# Altium PCB DCDCv1.1.PcbDoc (part 1 of 5) (continued)
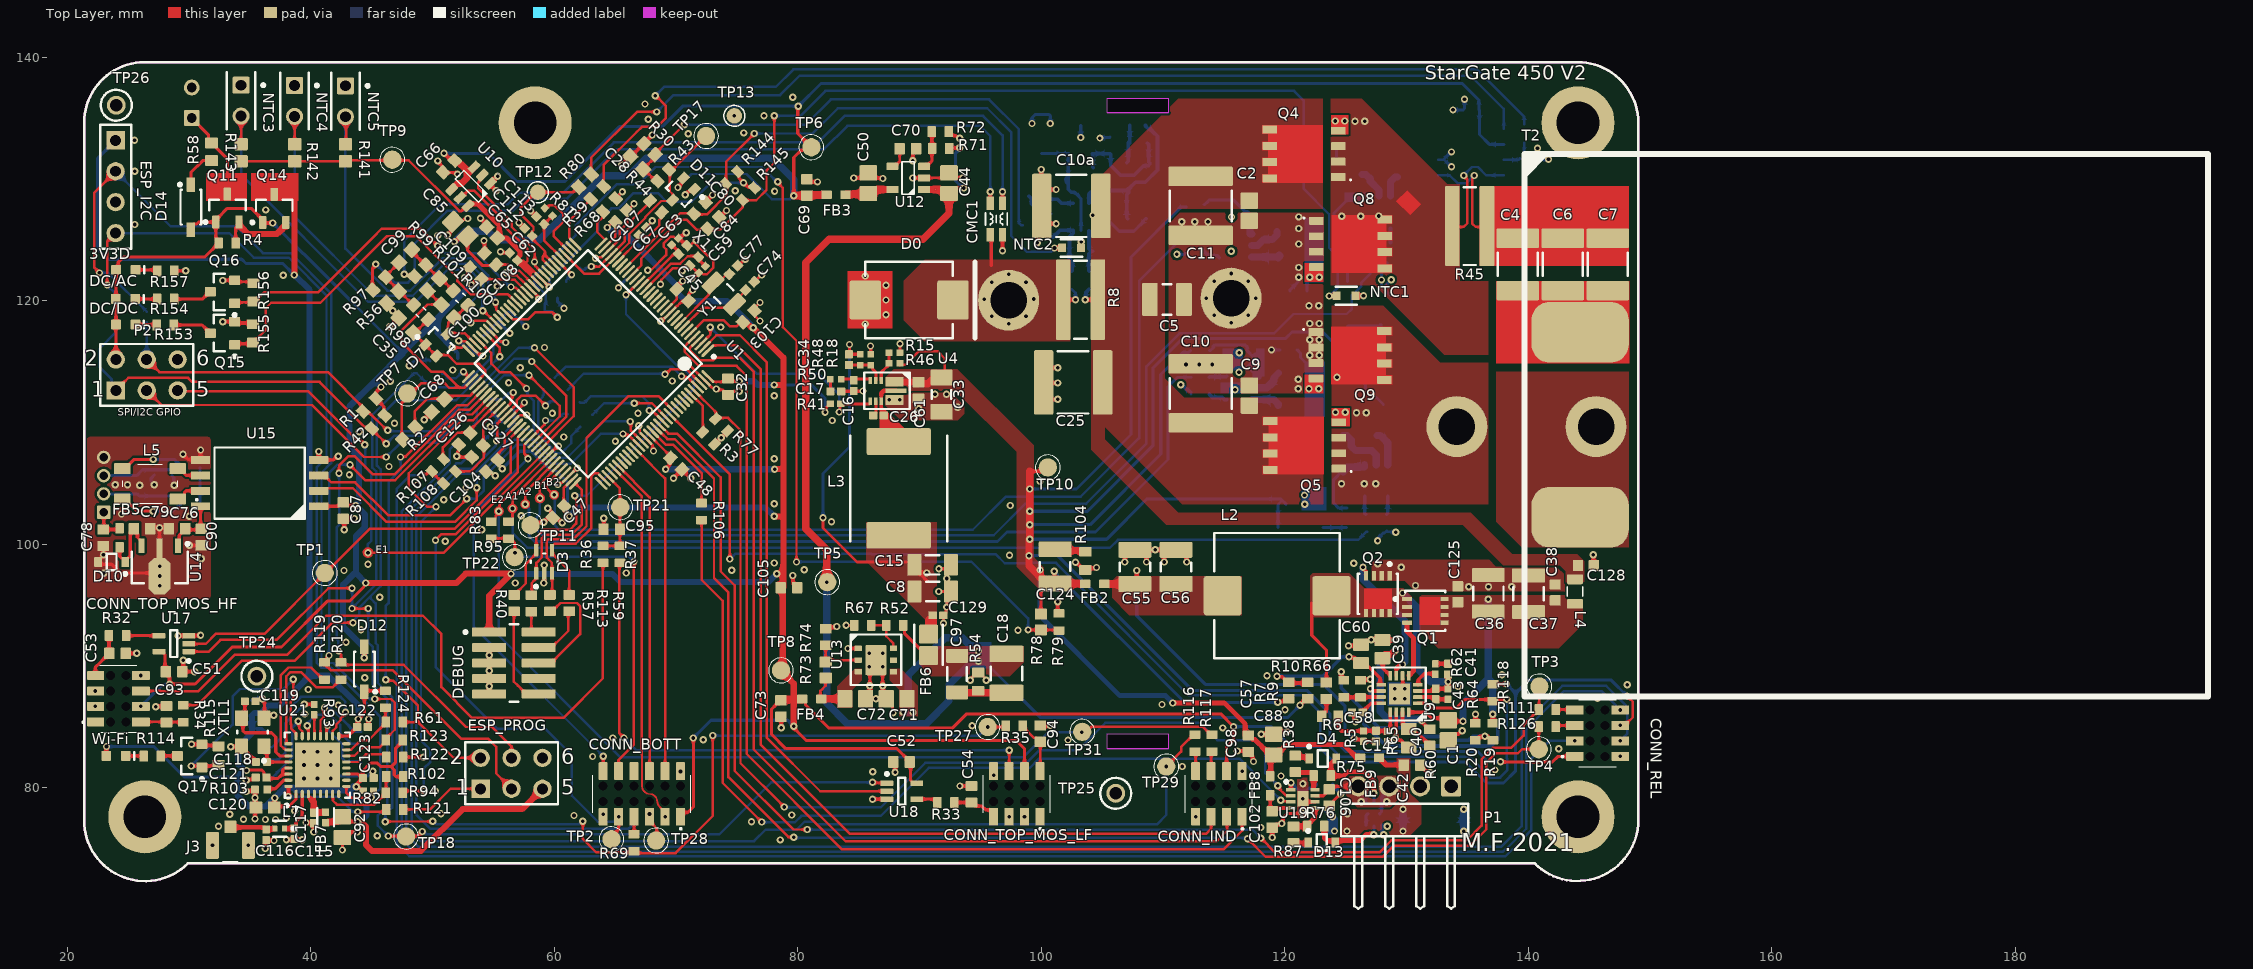
[diagram p0: Top Layer view]
## Components (designator, comment, footprint, x,y, rotation, side; value= is the part's Value field where it differs from the comment) (continued)
ESP_PROG "Header 3X2" HDR2X3 53.96,79.925 r0 top
FB1 "100R" SMD-0603 107.875,126.75 r180 bottom
FB2 "100R" SMD-0603 104.4,96.75 r180 top
FB3 "100R" SMD-0603 83.15,128.725 r180 top
FB4 "100R" SMD-0603 81.15,87.3 r180 top
FB5 "100R" SMD-0603 24.293,100.546 r270 top
FB6 "MMZ2012R601AT000" FP-MMZ2012-IPC_A 90.75,91.75 r270 top
FB7 "BLM15AG601SN1D" FP-BLM15-0_05-IPC_B 41.225,77.575 r90 top
FB8 "100R" SMD-0603 118.8,80.175 r270 top
FB9 "100R" SMD-0603 126.975,82.475 r180 top
FB16 "100R" SMD-0603 125.15,124 r270 bottom
FB17 "100R" SMD-0603 125.075,102.15 r270 bottom
FB18 "100R" SMD-0603 112.6,127.925 r180 bottom
FB19 "100R" SMD-0603 113.05,115.925 r180 bottom
J2 "B4B-ZR_LF__SN_" SHDR4W50P0X150_1X4_750X350X450P 22.993,102.646 r90 bottom
J3 "U.FL-R-SMT-1(10)" FP-U_FL-R-SMT-1_10-MFG 33.4,75.275 r0 top
L1 "1.8u" "IND LLC" 125.514,109.675 r180 bottom
L2 "100uH" VISH-IHLP4040DZER101M11_V 119.381,95.784 r180 top
L3 "22uH" INDPM8680X400N 88.3,104.6 r270 top
L4 "742792641" RESC2012X70N 143.85,96.125 r90 top
L5 "PE-1812ACC510STS" PE1812ACC510STS 26.793,104.971 r180 top
L7 "2.2nH" FP-LQG15HH_02-MFG 37.45,76.65 r180 top
NTC1 "NCU18XH103F60RB" FP-NCU18-0_15-MFG 125.05,120.425 r180 top
NTC2 "NCU18XH103F60RB" FP-NCU18-0_15-MFG 102.5,124.35 r180 top
NTC3 "5-146280-2" TECO-5-146280-2_V 34.275,136.45 r270 top
NTC4 "5-146280-2" TECO-5-146280-2_V 38.675,136.425 r270 top
NTC5 "5-146280-2" TECO-5-146280-2_V 42.85,136.4 r270 top
P1 "61300411021" 61300411021 129.86,77.355 r0 top
P2 "Header 3X2" HDR2X3 23.985,112.65 r0 top
PV+ "Plug" PV_PAD#1 97.35,120.15 r90 bottom
PV- "Plug" PV_PAD#2 115.6,120.225 r0 bottom
Q1 "IAUZ20N08S5L300" INF-PG-TSDSON-8-1_V 131.556,94.534 r180 top
Q2 "IAUZ20N08S5L300" INF-PG-TSDSON-8-1_V 127.656,95.934 r90 top
Q3 "DMT3020LFDB" NXP-SOT1118_L 127.325,77.8 r270 bottom
Q4 "BSC028N06NS" INF-PG-TDSON-8-1_V 121.575,132.075 r90 top
Q5 "BSC028N06NS" INF-PG-TDSON-8-1_V 121.625,108.125 r90 top
Q8 "BSC028N06NS" INF-PG-TDSON-8-1_V 125.425,124.675 r270 top
Q9 "BSC028N06NS" INF-PG-TDSON-8-1_V 125.4,115.525 r270 top
Q11 "SI2301CDS-T1-GE3" INF-PG-SOT23_N 33.15,127.625 r90 top
Q12 "ISS17EP06LMXTSA1" INF-PG-SOT23_N 99.625,126.2 r180 bottom
Q13 "ISS17EP06LMXTSA1" INF-PG-SOT23_N 103.25,133.25 r90 bottom
Q14 "SI2301CDS-T1-GE3" INF-PG-SOT23_N 37,127.6 r90 top
Q15 "2N7002-7-F" DIOD-SOT23-3_V 32.748,117.348 r180 top
Q16 "2N7002-7-F" DIOD-SOT23-3_V 32.748,120.748 r180 top
Q17 "2N7002-7-F" DIOD-SOT23-3_V 30.05,82.625 r180 top
R1 "6.2k" RESC1608X55X25ML10T15 44.825,111.45 r225 top
R2 "49.9R" RESC1608X55X30ML15T15 48.075,109.1 r45 top
R3 "10k" RESC1608X55X25NL10T15 72.675,108.725 r135 top
R4 "100k" RESC1608X55X25NL10T15 33.125,124.75 r0 top
R5 "39K" RESC1005X40X25NL05T10 126.475,84.25 r270 top
R6 "180K" RESC1608X55X30NL15T15 123.725,85.875 r180 top
R7 "100K" RESC1608X55X25NL10T15 124.856,88.134 r270 top
R8 "0.003R 1% 1225 2W" RESC3264X06N 103.233,120.1 r0 top
R9 "150K" RESC1608X55X25NL10T15 126.231,88.134 r270 top
R10 "5.1R" RESC1608X55X30NL15T15 120.325,88 r270 top
R11 "39K" RESC1608X55X30NL20T10 124.275,130.75 r90 bottom
R12 "39K" RESC1608X55X30NL20T10 125.925,113.725 r0 bottom
R13 "1.8R" RESC3216X70X40ML20T20 126.375,131.975 r90 bottom
R14 "33K" RESC1608X55X25ML10T15 126.791,101.772 r90 bottom
R15 "68K" RESC1005X40X25NL05T05 87.95,115.75 r180 top
R16 "39K" RESC1608X55X30NL20T10 121.15,120.825 r0 bottom
R17 "39K" RESC1608X55X30NL20T10 120.325,115.975 r0 bottom
R18 "30K" RESC1005X40X25NL05T05 86.009,115.169 r270 top
R19 "1M" RESC1608X55X25NL10T15 137.106,84.609 r90 top
R20 "51K" RESC1608X55X25NL10T15 135.656,84.609 r270 top
R21 "1.8R" RESC3216X70X40ML20T20 124.825,110.525 r90 bottom
R22 "33k" RESC1608X55X25ML10T15 128.45,123.85 r90 bottom
R23 "0.5R" RESC3216X70X40ML20T20 128.8,131.95 r90 bottom
R24 "33K" RESC1608X55X25ML10T15 128.291,101.772 r90 bottom
R25 "49.9R 0.1%" RESC1608X55X25ML10T15 102.5,121.7 r90 bottom
R26 "100R" RESC1608X55X30LL15T15 99.625,128.6 r180 bottom
R27 "18K" RESC1608X55X30NL20T20#1 107.925,134.425 r0 bottom
R28 "49.9R 0.1%" RESC1608X55X25ML10T15 103.95,121.7 r90 bottom
R29 "4.7K" RESC1608X55X30ML15T15 108,132.95 r180 bottom
R30 "3.48k 0.1%" RESC1608X55X30NL20T20#1 67.826,132.47 r315 top
R31 "15K" RESC1608X55X30NL15T15 105.65,132.775 r270 bottom
R32 "330R" RESC1608X55X25NL10T15 24.125,92.5 r180 top
R33 "330R" RESC1608X55X25NL10T15 92.175,78.8 r0 top
R34 "330R" RESC1608X55X25NL10T15 29.525,86.1 r270 top
R35 "330R" RESC1608X55X25NL10T15 97.8,85.1 r0 top
R36 "330R" RESC1608X55X25NL10T15 64,99.175 r270 top
R37 "330R" RESC1608X55X25NL10T15 65.4,99.175 r270 top
R38 "5.1R" RESC1608X55X30NL15T15 120.875,81.975 r90 top
R39 "0R" RESC1608X55X25ML10T15 63.525,128.875 r45 top
R40 "49.9R" RESC1608X55X30NL15T15 56.7,95.175 r90 top
R41 "100K" RESC1005X40X25NL05T10 83.109,111.544 r180 top
R42 "6.2k" RESC1608X55X25ML10T15 45.55,110.05 r225 top
R43 "1K" RESC1608X55X30NL15T15 68.958,130.313 r225 top
R44 "49.9R" RESC1608X55X30NL15T15 68.35,127.75 r315 top
R45 "0.003R 1% 1225 2W" RESC3264X06N 135.2,126.15 r0 top
R46 "470k" RESC1005X40X25NL05T05 87.95,114.875 r0 top
R47 "0.5R" RESC3216X70X40ML20T20 127.241,110.522 r90 bottom
R48 "158K" RESC1005X40X25NL05T05 85.134,115.169 r90 top
R49 "33k" RESC1608X55X25ML10T15 127.05,123.85 r90 bottom
R50 "47K" RESC1005X40X25NL05T05 83.134,113.569 r0 top
R51 "33k" RESC1608X55X25ML10T15 112.575,125.5 r0 bottom
R52 "100K" RESC1608X55X25NL10T15 87.975,93.35 r0 top
R53 "1.8R" RESC3216X70X40ML20T20 120.95,125.7 r0 bottom
R54 "0.1R" RESC1608X55X25ML10T15 94.825,88.725 r270 top
R55 "33K" RESC1608X55X25ML10T15 113.07,113.719 r0 bottom
R56 "4.99K 0.1%" RESC1608X55X30ML20T20 46.725,120.3 r45 top
R57 "49.9R" RESC1608X55X30NL15T15 58.125,95.15 r90 top
R58 "49.9R" RESC1608X55X30ML15T15 31.85,132.25 r270 top
R59 "49.9R" RESC1608X55X30NL15T15 61.225,95.175 r90 top
R60 "5.1R" RESC1608X55X30NL15T15 131.925,84.15 r90 top
R61 "330R" RESC1608X55X25NL10T15 46.875,85.4 r0 top
R62 "3R3" RESC1005X40X25NL05T10 132.381,89.759 r270 top
R63 "0R" RESC1608X55X25ML10T15 139.675,133.75 r270 bottom
R64 "510R" RESC1005X40X25NL05T10 133.425,87.7 r270 top
R65 "2K" RESC1005X40X25NL05T10 128.425,84.225 r90 top
R66 "5.1R" RESC1608X55X30NL15T15 121.884,87.994 r270 top
R67 "36K" RESC1608X55X25NL10T15 85.35,93.35 r0 top
R68 "0R" RESC1608X55X25ML10T15 64.525,127.875 r225 top
R69 "330R" RESC1608X55X25NL10T15 66.55,75.5 r270 top
R70 "330R" RESC1608X55X25NL10T15 67.125,77.05 r180 bottom
R71 "100K" RESC1608X55X25NL10T15 91.75,132.525 r0 top
R72 "27K" RESC1608X55X25NL10T15 91.725,133.9 r180 top
R73 "18K" RESC1608X55X30NL20T20#1 82.3,89.675 r270 top
R74 "1K" RESC1608X55X30NL15T15 82.3,92.4 r270 top
R75 "10R" RESC1608X55X25NL10T15 123.1,81 r0 top
R76 "10R" RESC1608X55X25NL10T15 122.55,76.85 r0 top
R77 "10K" RESC1608X55X25NL10T15 73.75,109.825 r135 top
R78 "43K" RESC1608X55X30NL20T20#1 99.975,93.625 r90 top
R79 "10K" RESC1608X55X25NL10T15 101.45,93.625 r270 top
R80 "49.9R" RESC1608X55X30ML15T15 62.523,129.871 r225 top
R81 "49.9R" RESC1005X40X25NL05T05 59.535,127.308 r315 top
R82 "10K" RESC1005X40X25NL05T10 44.725,79.775 r180 top
R83 "330R" RESC1608X55X25NL10T15 54.825,101.175 r270 top
R84 "59R" RESC1608X55X30ML15T15 30.168,106.321 r180 bottom
R85 "1.8R" RESC3216X70X40ML20T20 121.075,114.075 r0 bottom
R86 "59R" RESC1608X55X30ML15T15 30.168,103.496 r0 bottom
R87 "5.1R" RESC1608X55X30NL15T15 120.725,76.15 r90 top
R88 "1K" RESC1005X40X25NL05T10 26.525,118.675 r90 bottom
R89 "0.5R" RESC3216X70X40ML20T20 120.95,123.425 r0 bottom
R90 "33k" RESC1608X55X25ML10T15 112.6,123.95 r0 bottom
R91 "0.5R" RESC3216X70X40ML20T20 121.05,111.425 r0 bottom
R92 "33K" RESC1608X55X25ML10T15 113.07,112.369 r0 bottom
R93 "220R" RESC1005X40X25NL05T10 40.275,86.425 r270 top
R94 "330R" RESC1608X55X25NL10T15 46.875,79.6 r0 top
R95 "330R" RESC1608X55X25NL10T15 56.25,101.175 r270 top
R96 "3.3R" RESC1608X55X30NL15T15 123.275,80.3 r180 bottom
R97 "110K/0.1%" RESC1608X55X30NL20T20#2 45.625,121.425 r225 top
R98 "499R 0.1%" RESC1608X55N 49.05,119.075 r315 top
R99 "110K/0.1%" RESC1608X55X30NL20T20#1 49,122.475 r225 top
R100 "499R 0.1%" RESC1608X55N 52.305,120.237 r315 top
R101 "4.99K 0.1%" RESC1608X55X30ML20T20 50.078,121.333 r45 top
R102 "100k" RESC1608X55X25NL10T15 46.9,80.925 r180 top
R103 "12K" RESC1005X40X25ML05T05 35.925,79.85 r0 top
R104 "0.1R" RESC1608X55X25ML10T15 103.625,98.65 r90 top
R105 "1K" RESC1005X40X25NL05T10 23.975,118.65 r90 bottom
R106 "330R" RESC1608X55X25NL10T15 72.1,102.7 r90 top
R107 "330R" RESC1608X55X25NL10T15 50.425,106.5 r45 top
R108 "330R" RESC1608X55X25NL10T15 51.4,105.5 r45 top
R110 "330R" RESC1608X55X25NL10T15 52.7,109.1 r225 bottom
R111 "330R" RESC1608X55X25NL10T15 141.575,86.425 r180 top
R112 "330R" RESC1608X55X25NL10T15 53.75,108.05 r225 bottom
R113 "49.9R" RESC1608X55X30NL15T15 59.65,95.175 r90 top
R114 "330R" RESC1608X55X25NL10T15 26.975,82.6 r0 top
R115 "100k" RESC1608X55X25ML10T15 32.425,82.65 r270 top
R116 "330R" RESC1608X55X25NL10T15 112.625,83.675 r90 top
R117 "330R" RESC1608X55X25NL10T15 114.025,83.675 r90 top
R118 "100K" RESC1608X55X25NL10T15 137.1,87.825 r90 top
R119 "330R" RESC1608X55X25NL10T15 41.125,89.6 r90 top
R120 "330R" RESC1608X55X25NL10T15 42.5,89.6 r90 top
R121 "330R" RESC1608X55X25NL10T15 46.9,78.225 r0 top
R122 "100K" RESC1608X55X25NL10T15 46.9,82.525 r180 top
R123 "100K" RESC1608X55X25NL10T15 46.85,83.925 r0 top
R124 "10K" RESC1608X55X25NL10T15 46.125,87.275 r90 top
R125 "330R" RESC1608X55X25NL10T15 50.3,113.525 r45 bottom
R126 "330R" RESC1608X55X25NL10T15 141.575,85.025 r0 top
R127 "330R" RESC1608X55X25NL10T15 61.6,111.175 r45 bottom
R128 "330R" RESC1608X55X25NL10T15 62.625,110.15 r45 bottom
R129 "330R" RESC1608X55X25NL10T15 60.6,112.2 r45 bottom
R130 "330R" RESC1608X55X25NL10T15 59.55,113.2 r45 bottom
R132 "100K" RESC1608X55X25NL10T15 49.3,114.575 r225 bottom
R141 "10k 0.1%" RESC1608X55X30ML20T20 42.85,132.17 r270 top
R142 "10k 0.1%" RESC1608X55X30ML20T20 38.675,132.17 r270 top
R143 "10k 0.1%" RESC1608X55X30ML20T20 34.275,132.175 r270 top
R144 "100K" RESC1608X55X25NL10T15 74.575,130.125 r45 top
R145 "100K" RESC1608X55X25NL10T15 75.95,128.8 r45 top
R153 "330R" RESC1608X55X25NL10T15 28.048,118.023 r0 top
R154 "330R" RESC1608X55X25NL10T15 28.073,120.148 r0 top
R155 "100k" RESC1608X55X25ML10T15 35.25,117.325 r270 top
R156 "100k" RESC1608X55X25ML10T15 35.3,120.7 r270 top
R157 "330R" RESC1608X55X25NL10T15 28.075,122.475 r0 top
T2 "LLC 400W" ETD39-K-V-16P-HORIZONTAL-PRI 139.711,87.5 r0 top locked
TP1 "Test Point" TP1.5mm 41.15,97.65 r0 top
TP2 "Test Point" TP1.5mm 64.7,75.775 r0 top
TP3 "Test Point" TP1.5mm 140.925,88.325 r0 top
TP4 "Test Point" TP1.5mm 140.875,83.175 r0 top
TP5 "Test Point" TP1.5mm 82.425,96.9 r0 top
TP6 "Test Point" TP1.5mm 81.125,132.625 r0 top
TP7 "Test Point" TP1.5mm 47.925,112.4 r0 top
TP8 "Test Point" TP1.5mm 78.625,89.65 r0 top
TP9 "Test Point" TP1.5mm 46.7,131.6 r0 top
TP10 "Test Point" TP1.5mm 100.55,106.325 r0 top
TP11 "Test Point" TP1.5mm 58.05,101.575 r0 top
TP12 "TESTPOINT" TP-R60 58.65,128.925 r0 top
TP13 "TESTPOINT" TP-R60 74.8,135.2 r0 top
TP17 "Test Point" TP1.5mm 72.475,133.55 r0 top
TP18 "Test Point" TP1.5mm 47.825,76 r0 top
TP21 "Test Point" TP1.5mm 65.425,103.05 r0 top
TP22 "Test Point" TP1.5mm 56.75,98.95 r0 top
TP24 "5001" KSTN-5001 35.575,89.175 r90 top
TP25 "5001" KSTN-5001 106.125,79.55 r0 top
TP26 "5001" KSTN-5001 24.025,136.075 r90 top
TP27 "Test Point" TP1.5mm 95.6,85 r0 top
TP28 "Test Point" TP1.5mm 68.375,75.675 r0 top
TP29 "Test Point" TP1.5mm 110.275,81.75 r0 top
TP31 "Test Point" TP1.5mm 103.375,84.6 r0 top
U1 "STM32G474QBT6" LQFP-128 62.788,114.845 r225 top value=Value
U2 "1EDN8550B" SOT23-6 127.75,127.325 r90 bottom
U3 "1EDN8550B" SOT23-6 127.516,105.247 r90 bottom
U4 "AP63357QZV-7" AP63357QZV7 87.209,112.619 r270 top
U5 "TSZ121ICT" DCK0005A_N 103.275,126.9 r90 bottom
U6 "TS431BILT" SOT23-5 107.975,130.05 r90 bottom
U7 "1EDN8550B" SOT23-6 116.008,124.55 r0 bottom
U8 "1EDN8550B" SOT23-6 116.538,112.851 r0 bottom
U9 "MIC2128YML-TR" QFN50P300X300X90-17N 129.431,87.709 r180 top
U10 "ADR3425ARJZ-R2" SOT23-6 53.172,129.411 r225 top
U11 "INA240A1DR" SOIC127P600X175-8AN 135.3,132.225 r0 bottom
U12 "TC1185-3.3VCT713 / LD3985 / TPS7A20" SOT23-5 89.075,130.1 r180 top
U13 "LDL212" LDL212PUR 86.425,90.5 r0 top
U14 "AP7370" SOT-89_L 27.58,98.196 r270 top
U15 "ADM3050EBRIZ" SOIC127P1031X265-8N 35.793,105.034 r180 top
U16 "W25Q32FVSSIG" FP-SS-MFG 40.2,82.875 r180 bottom
U17 "74AHC1G08SE-7" DCK0005A_M 28.75,91.85 r180 top
U18 "74AHC1G08SE-7" DCK0005A_M 88.55,79.725 r0 top
U19 "NCP5901BMNTBG" SON50P200X200X100-9N 121.5,79.1 r0 top
U21 "ESP8266EX" ESFS-QFN-32_L 40.55,81.875 r90 top
Wi-Fi "150060GS75000" 0603_A 24,82.625 r180 top
X1 "NX2016SA-24M-EXS00A-CS08891" ABRA-ABM11_V 71.03,123.725 r225 top
XTL1 "26MHz" AVX-CX3225GB-4_V 35.225,84.575 r90 top
Y1 "Q13FC1350000400" ABRA-ABS07_A_V 73.925,120.6 r135 top

## Footprints (in the part's own frame and the unit in brackets; to place one, negate y for a bottom-side part, rotate by r counter-clockwise, add the part's x,y. Pads: shape width x height; smd on the part's side, far side on the other; paste and mask are expansions set on the pad)
0603_A [mm] "Chip LED, 2-Leads, Body 1.6x0.8mm, IPC Medium Density"
  rrect15% 0.8x0.8 smd: 1(-0.8,0) 2(0.8,0)
  silkscreen extent -1.5,-0.3 -1.5,0.3, body extent -0.8,-0.4 0.8,0.4, height 0.7
61300411021 [mm]
  rrect15% 1.65x1.65 hole 1.1: 1(3.81,2.77)
  round 1.65 hole 1.1: 2(1.27,2.77) 3(-1.27,2.77) 4(-3.81,2.77)
  silkscreen extent -5.23,-7.27 5.23,1.35, body extent -5.08,-7.27 5.08,3.09, height 2.58
ABRA-ABM11_V [mm] "SMD, 4-Leads, Body 2x1.6mm, Pitch 1.3mm"
  rrect15% 0.65x0.75 smd: 1(-0.5,0.65) 2(-0.5,-0.65) 3(0.5,-0.65) 4(0.5,0.65)
  silkscreen extent -1.31,0.59 -1.19,0.71, body extent -0.8,-1 0.8,1, height 0.59
ABRA-ABS07_A_V [mm] "SMD, 2-Leads, Body 3.2x1.5mm"
  rrect15% 1x1.8 smd: 1(-1.25,0) 2(1.25,0)
  silkscreen extent -0.35,-0.75 0.35,0.75, body extent -1.6,-0.75 1.6,0.75, height 0.9
AP63357QZV7 [mm]
  rrect15% 0.8x1.5 smd: 1(-0.75,0.75) 8(0.75,0.75)
  rrect15% 0.6x0.29 smd: 2(-0.85,-0.344) 3(-0.85,-0.794) 4(-0.85,-1.244) 5(0.85,-1.244) 6(0.85,-0.794) 7(0.85,-0.344)
  rrect15% 0.39x1.73 smd: 9(0,0.864)
  silkscreen extent -1.5,-1.75 1.5,2, body extent -1,-1.5 1,1.5, height 0.95
AVX-CX3225GB-4_V [mm] "SMD, 4-Leads, Body 3.2x2.5mm, Height 0.9mm"
  rrect15% 1.3x1.05 smd: 1(-1.15,-0.925) 2(1.15,-0.925) 3(1.15,0.925) 4(-1.15,0.925)
  silkscreen extent -2.47,-1.25 0.1,1.25, body extent -1.6,-1.25 1.6,1.25, height 0.9
CAPC1005X55X25ML05T10 [mm] "Chip Capacitor, 2-Leads, Body 1.00x0.50mm, IPC Low Density"
  rrect15% 0.76x0.72 smd: 1(-0.49,0) 2(0.49,0)
  body extent -0.53,-0.28 0.53,0.27, height 0.55
CAPC1005X55X25NL05T10 [mm] "Chip Capacitor, 2-Leads, Body 1.00x0.50mm, IPC Medium Density"
  rrect15% 0.66x0.62 smd: 1(-0.44,0) 2(0.44,0)
  body extent -0.53,-0.28 0.53,0.27, height 0.55
CAPC1005X56X25LL10T15 [mm] "Chip Capacitor, 2-Leads, Body 1.00x0.50mm, IPC High Density"
  rrect15% 0.58x0.54 smd: 1(-0.39,0) 2(0.39,0)
  body extent -0.55,-0.3 0.55,0.3, height 0.56
CAPC1005X56X25NL10T15 [mm] "Chip Capacitor, 2-Leads, Body 1.00x0.50mm, IPC Medium Density"
  rrect15% 0.68x0.64 smd: 1(-0.44,0) 2(0.44,0)
  body extent -0.55,-0.3 0.55,0.3, height 0.56
CAPC1206(3216)190_N [mm]
  rrect15% 1.15x1.8 smd: 1(-1.5,0) 2(1.5,0)
  silkscreen extent -0.55,-0.8 0.55,0.8, body extent -1.7,-0.9 1.7,0.9, height 1.9
CAPC1210(3225)280_M [mm] "Chip Capacitor, Body 3.2x2.5mm, Height 2.8mm, IPC Low Density"
  rrect15% 1.35x2.8 smd: 1(-1.6,0) 2(1.6,0)
  silkscreen extent -0.55,-1.3 0.55,1.3, body extent -1.7,-1.4 1.7,1.4, height 2.8
CAPC1210(3225)280_N [mm] "Chip Capacitor, Body 3.2x2.5mm, Height 2.8mm, IPC Medium Density"
  rrect15% 1.15x2.7 smd: 1(-1.5,0) 2(1.5,0)
  silkscreen extent -0.55,-1.25 0.55,1.25, body extent -1.7,-1.4 1.7,1.4, height 2.8
CAPC1608X86X35NL15T15 [mm]
  rrect15% 1.05x1 smd: 1(-0.75,0) 2(0.75,0)
  body extent -0.88,-0.48 0.88,0.48, height 0.86
CAPC1608X90X20NL10 [mm] "Chip Capacitor, 2-Leads, Body 1.70x0.90mm, IPC Medium Density"
  rrect15% 0.55x0.95 smd: 1(-0.8,0) 2(0.8,0)
  silkscreen extent -0.15,-0.38 0.15,0.38, body extent -0.85,-0.45 0.85,0.45, height 0.9
CAPC1608X90X35LL15T15 [mm] "Chip Capacitor, 2-Leads, Body 1.60x0.81mm, IPC High Density"
  rrect15% 0.85x0.9 smd: 1(-0.65,0) 2(0.65,0)
  body extent -0.88,-0.48 0.87,0.48, height 0.9
CAPC1608X90X35ML10T15 [mm] "Chip Capacitor, 2-Leads, Body 1.60x0.80mm, IPC Low Density"
  rrect15% 0.95x1.05 smd: 1(-0.725,0) 2(0.725,0)
  body extent -0.85,-0.45 0.85,0.45, height 0.9
CAPC1608X90X35NL10T15 [mm]
  rrect15% 0.85x0.95 smd: 1(-0.675,0) 2(0.675,0)
  body extent -0.85,-0.45 0.85,0.45, height 0.9
CAPC1608X90X35NL15T15#1 [mm]
  rrect15% 1.05x1 smd: 1(-0.75,0) 2(0.75,0)
  body extent -0.88,-0.48 0.88,0.48, height 0.9
CAPC1608X90X35NL15T15#2 [mm] "Chip Capacitor, 2-Leads, Body 1.60x0.81mm, IPC Medium Density"
  rrect15% 1.05x1 smd: 1(-0.85,0) 2(0.85,0)
  body extent -0.88,-0.48 0.88,0.48, height 0.9
CAPC1608X90X40NL10T20 [mm]
  rrect15% 0.95x0.95 smd: 1(-0.625,0) 2(0.625,0)
  body extent -0.85,-0.45 0.85,0.45, height 0.9
CAPC1812(4532)190_M [mm] "Chip Capacitor, Body 4.5x3.2mm, Height 1.9mm, IPC Low Density"
  rrect15% 1.6x3.5 smd: 1(-2.15,0) 2(2.15,0)
  silkscreen extent -0.95,-1.65 0.95,1.65, body extent -2.4,-1.7 2.4,1.7, height 1.9
CAPC2013X94X50NL20T25 [mm]
  rrect15% 1.35x1.45 smd: 1(-0.825,0) 2(0.825,0)
  body extent -1.1,-0.73 1.11,0.73, height 0.94
CAPC2013X135X45LL10T25 [mm]
  rrect15% 1x1.3 smd: 1(-0.75,0) 2(0.75,0)
  body extent -1.05,-0.67 1.05,0.68, height 1.35
CAPC2013X135X45ML10T25 [mm] "Chip Capacitor, 2-Leads, Body 2.10x1.35mm, IPC Low Density"
  rrect15% 1.4x1.5 smd: 1(-0.95,0) 2(0.95,0)
  body extent -1.05,-0.68 1.05,0.68, height 1.35
CAPC2013X140X45NL15T25 [mm]
  rrect15% 1.25x1.45 smd: 1(-0.85,0) 2(0.85,0)
  body extent -1.08,-0.7 1.07,0.7, height 1.4
CAPC3216X180X50ML20T25 [mm] "Chip Capacitor, 2-Leads, Body 3.40x1.80mm, IPC Low Density"
  rrect15% 1.5x1.9 smd: 1(-1.5,0) 2(1.5,0)
  silkscreen extent -0.35,-0.85 0.35,0.85, body extent -1.7,-0.9 1.7,0.9, height 1.8
CAPC3216X180X50NL20T25 [mm] "Chip Capacitor, 2-Leads, Body 3.40x1.80mm, IPC Medium Density"
  rrect15% 1.3x1.8 smd: 1(-1.4,0) 2(1.4,0)
  silkscreen extent -0.35,-0.8 0.35,0.8, body extent -1.7,-0.9 1.7,0.9, height 1.8
CAPC3225X250X20LL40 [mm] "Chip Capacitor, 2-Leads, Body 3.60x2.80mm, IPC High Density"
  rrect15% 0.75x2.7 smd: 1(-1.575,0) 2(1.575,0)
  silkscreen extent -0.8,-1.25 0.8,1.25, body extent -1.8,-1.4 1.8,1.4, height 2.5
CAPC3225X279X50NL20T25 [mm]
  rrect15% 1.3x2.7 smd: 1(-1.4,0) 2(1.4,0)
  silkscreen extent -0.35,-1.25 0.35,1.25, body extent -1.7,-1.35 1.7,1.35, height 2.79
CAPC5750X279X64LL40T39 [mm] "Chip Capacitor, 2-Leads, Body 6.1x5.4mm, IPC High Density"
  rrect15% 1.6x5.3 smd: 1(-2.425,0) 2(2.425,0)
  silkscreen extent -1.25,-2.55 1.25,2.55, body extent -3.05,-2.7 3.05,2.7, height 2.79
CAPPR55-250-1120X630X1220 [mm] "THD, 2-Leads, Dia 6.3mm, Body Length 11.2mm"
  rrect15% 1.3x1.3 hole 0.8: 1(-1.25,0)
  round 1.3 hole 0.8: 2(1.25,0)
  silkscreen extent -3.15,-3.15 3.15,3.15, body extent -3.15,-3.15 3.15,3.15, height 12.21
CHOKE_CM_1206SMD [mm] "Common-mode choke, Body 3.4x1.8x2.2mm"
  round 0.5 on Mech15: 0(0,0)
  rrect1% 1.1x0.6 smd: 1(-1.3,0.5) 2(1.3,0.5) 3(1.3,-0.5) 4(-1.3,-0.5)
  Top Layer pour cut-out: -0.9,0.91 0.9,0.91 0.9,-0.9 -0.9,-0.9
  silkscreen extent -0.5,-0.9 0.5,0.9, body extent -1.71,-0.91 1.71,0.91, height 2.2
CLP-104-02-XXX-D-BE#1 [mm]
  rrect15% 0.74x1.47 smd: 1(1.905,-1.87) 2(1.905,1.87) 3(0.635,-1.87) 4(0.635,1.87) 5(-0.635,-1.87) 6(-0.635,1.87) 7(-1.905,-1.87) 8(-1.905,1.87)
  round 0.37 hole 0.74 unplated: 9(1.905,-0.635) 10(1.905,0.635) 11(0.635,-0.635) 12(0.635,0.635) 13(-0.635,-0.635) 14(-0.635,0.635) 15(-1.905,-0.635) 16(-1.905,0.635)
  silkscreen extent -2.76,-2.92 2.76,1.53, body extent -2.76,-2.17 2.76,2.15, height 2.13
CLP-104-02-XXX-D-BE#2 [mm]
  rrect15% 0.74x1.4 smd: 1(1.905,-1.845) 3(0.635,-1.845) 5(-0.635,-1.845) 7(-1.905,-1.845)
  rrect15% 0.74x1.47 smd: 2(1.905,1.87) 4(0.635,1.87) 6(-0.635,1.87) 8(-1.905,1.87)
  round 0.37 hole 0.74 unplated: 9(1.905,-0.635) 10(1.905,0.635) 11(0.635,-0.635) 12(0.635,0.635) 13(-0.635,-0.635) 14(-0.635,0.635) 15(-1.905,-0.635) 16(-1.905,0.635)
  silkscreen extent -2.76,-2.92 2.76,1.53, body extent -2.76,-2.17 2.76,2.15, height 2.13
CLP-106-02-XXX-D-BE [mm]
  rrect15% 0.74x1.47 smd: 1(3.175,-1.87) 2(3.175,1.87) 3(1.905,-1.87) 4(1.905,1.87) 5(0.635,-1.87) 6(0.635,1.87) 7(-0.635,-1.87) 8(-0.635,1.87) 9(-1.905,-1.87) 10(-1.905,1.87) 11(-3.175,-1.87) 12(-3.175,1.87)
  round 0.37 hole 0.74 unplated: 13(3.175,-0.635) 14(3.175,0.635) 15(1.905,-0.635) 16(1.905,0.635) 17(0.635,-0.635) 18(0.635,0.635) 19(-0.635,-0.635) 20(-0.635,0.635) 21(-1.905,-0.635) 22(-1.905,0.635) 23(-3.175,-0.635) 24(-3.175,0.635)
  silkscreen extent -4.03,-2.92 4.03,1.53, body extent -4.05,-2.21 4,2.11, height 2.13
DCK0005A_M [mm] "SOT23, 5-Leads, Body 2.15x1.4mm, Pitch 0.65mm, IPC Low Density"
  rrect22% 1.05x0.45 smd: 1(-1.225,0.65) 2(-1.225,0) 3(-1.225,-0.65) 4(1.225,-0.65) 5(1.225,0.65)
  silkscreen extent -1.35,-1.1 0.3,1.55, body extent -1.14,-1 1.14,1, height 0.94
DCK0005A_N [mm] "SOT23, 5-Leads, Body 2.15x1.4mm, Pitch 0.65mm, IPC Medium Density"
  rrect25% 0.85x0.4 smd: 1(-1.125,0.65) 2(-1.125,0) 3(-1.125,-0.65) 4(1.125,-0.65) 5(1.125,0.65)
  silkscreen extent -1.25,-1.1 0.3,1.52, body extent -1.14,-1 1.14,1, height 0.94
DIOD-SOD-123-2_V [mm] "SOD-123, 2-Leads, Body 2.85x1.7mm (max), Pitch 3.7mm"
  rrect15% 1.2x0.7 smd: 1(-1.85,0) 2(1.85,0)
  silkscreen extent -1.43,-0.85 1.97,1.03, body extent -1.42,-0.85 1.42,0.85, height 1.45
DIOD-SOT23-3_V [mm] "SOT23, 3-Leads, Body 3x1.4mm, Pitch 0.95mm"
  rrect15% 0.9x0.8 smd: 1(-1,0.95) 2(-1,-0.95) 3(1,0)
  silkscreen extent -1.13,-1.5 0.7,2.02, body extent -1.25,-1.5 1.25,1.5, height 1.1
ESFS-QFN-32_L [mm] "QFN, 32-Leads, Body 5.05x5.05mm, Pitch 0.50mm, Thermal Pad 3.70x3.70mm, IPC High Density"
  oval 0.69x0.25 smd: 1(-2.375,1.75) 2(-2.375,1.25) 3(-2.375,0.75) 4(-2.375,0.25) 5(-2.375,-0.25) 6(-2.375,-0.75) 7(-2.375,-1.25) 8(-2.375,-1.75) 17(2.375,-1.75) 18(2.375,-1.25) 19(2.375,-0.75) 20(2.375,-0.25) 21(2.375,0.25) 22(2.375,0.75) 23(2.375,1.25) 24(2.375,1.75)
  oval 0.25x0.69 smd: 9(-1.75,-2.375) 10(-1.25,-2.375) 11(-0.75,-2.375) 12(-0.25,-2.375) 13(0.25,-2.375) 14(0.75,-2.375) 15(1.25,-2.375) 16(1.75,-2.375) 25(1.75,2.375) 26(1.25,2.375) 27(0.75,2.375) 28(0.25,2.375) 29(-0.25,2.375) 30(-0.75,2.375) 31(-1.25,2.375) 32(-1.75,2.375)
  rect 3.7x3.7 smd: 33(0,0)
  silkscreen extent -3.45,-2.67 2.68,2.68, body extent -2.52,-2.52 2.53,2.53, height 0.9
ETD39-K-V-16P-HORIZONTAL-PRI [mm]
  rrect60% 8x2.5 smd far side: 1(4.564,40.132) 2(4.564,35.052) 4(4.564,24.892) 5(4.564,19.812) 7(4.564,9.652) 8(4.564,4.572)
  rrect60% 8x5 smd: 3(4.564,29.925) 6(4.564,14.732)
  silkscreen extent 0,0 56.13,44.58, body extent 3.22,0.13 55.42,44.63, height 0.5
FAIR-DO-214AB-2_V [mm] "Molded Diode, 2-Leads, Body 7.15x6.25mm"
  rrect15% 2.6x3.2 smd: 1(-3.6,0) 2(3.6,0)
  silkscreen extent -3.6,-3.15 5.4,3.15, body extent -3.79,-3.13 3.79,3.13, height 2.65
FAIR-SOD-523F-2_V [mm] "SMD, 2-Leads, Body 1.2x0.8mm, Height 0.7mm"
  rrect15% 0.8x0.5 smd: 1(-1,0) 2(1,0)
  silkscreen extent -0.2,-0.38 0.24,0.38, body extent -0.6,-0.4 0.6,0.4, height 0.71
FP-BLM15-0_05-IPC_B [mm]
  rrect15% 0.615x0.572 smd paste+0 mask+0: 1(-0.429,0) 2(0.429,0)
  silkscreen extent -0.74,-0.69 0.74,0.69, body extent -0.89,-0.44 0.89,0.44, height 0.25
FP-LQG15HH_02-MFG [mm]
  rrect15% 0.4x0.5 smd paste+0 mask+0: 1(-0.4,0) 2(0.4,0)
  silkscreen extent -1.28,-0.64 0.53,0.65, body extent -0.5,-0.25 0.5,0.25, height 0.55
FP-MMZ2012-IPC_A [mm]
  rrect15% 1.554x1.556 smd paste+0 mask+0: 1(-0.876,0) 2(0.876,0)
  silkscreen extent -1.65,-1.18 1.65,1.18, body extent -2.15,-1.28 2.15,1.28, height 0.25
FP-NCU18-0_15-MFG [mm]
  rrect15% 0.65x0.7 smd paste+0 mask+0: 1(-0.775,0) 2(0.775,0)
  silkscreen extent -0.87,-0.72 0.87,0.72, body extent -0.8,-0.4 0.8,0.4, height 0.95
FP-SOT23-MFG [mm]
  rrect15% 0.9x0.8 smd paste+0 mask+0: 1(-1,0.95) 2(-1,-0.95) 3(1,0)
  silkscreen extent -0.18,-1.5 0.7,1.5, body extent -1.2,-1.45 1.2,1.45, height 1.1
FP-SOT323-5L-MFG [mm]
  rrect15% 1x0.35 smd paste+0 mask+0: 1(-0.95,0.65) 2(-0.95,0) 3(-0.95,-0.65) 4(0.95,-0.65) 5(0.95,0.65)
  silkscreen extent -2.17,-1.1 0.67,1.1, body extent -1.55,-1.2 1.55,1.2, height 0.25
FP-SS-MFG [mm]
  rrect15% 1.9x0.8 smd paste-1000 mask+0: 1(-3.95,1.905) 2(-3.95,0.635) 3(-3.95,-0.635) 4(-3.95,-1.905) 5(3.95,-1.905) 6(3.95,-0.635) 7(3.95,0.635) 8(3.95,1.905)
  silkscreen extent -5.71,-2.69 2.69,2.69, body extent -3.96,-2.64 3.96,2.64, height 2.16
FP-U_FL-R-SMT-1_10-MFG [mm]
  rrect15% 1x1.05 smd paste-1000 mask+0: 1(0,1.525)
  rrect15% 1.05x2.2 smd paste-1000 mask+0: 2(-1.475,0) 3(1.475,0)
  silkscreen extent -0.58,-1.38 0.58,-1.38, body extent -1.5,-1.55 1.5,1.55, height 1.45
HDR1X4 [mm] "Connector; Header; 4 Position"
  rect 1.5x1.5 hole 0.9: 1(0,0)
  round 1.5 hole 0.9: 2(2.54,0) 3(5.08,0) 4(7.62,0)
  silkscreen extent -1.27,-1.27 8.89,1.27
HDR2X3 [mm] "Connector; Header; 3x2 Position"
  rect 1.5x1.5 hole 0.9: 1(0,0)
  round 1.5 hole 0.9: 2(0,2.54) 3(2.54,0) 4(2.54,2.54) 5(5.08,0) 6(5.08,2.54)
  silkscreen extent -1.27,-1.27 6.35,3.81
"IND LLC" [mm] "Ferryster Resonant LLC Inductor"
  round 5 hole 3: 1(-8.636,0) 2(-20.066,0)
  silkscreen extent -20.5,-20.5 20.5,20.5, body extent -20.6,-20.5 20.6,20.5, height 0.25
INDPM8680X400N [mm]
  rrect15% 2.2x5.3 smd: 1(-3.85,0) 2(3.85,0)
  silkscreen extent -4.32,-4 4.33,4, body extent -4.32,-4 4.33,4, height 4
INF-PG-SOT23_N [mm] "SOT23, 3-Leads, Body 2.9x1.3mm, Pitch 0.95mm, IPC Medium Density"
  rrect15% 1.05x0.6 smd: 1(-1.15,0.95) 2(-1.15,-0.95) 3(1.15,0)
  silkscreen extent -1.27,-1.5 0.7,1.92, body extent -0.7,-1.5 0.7,1.5, height 1.1
INF-PG-TDSON-8-1_V [mm] "TDSON, 8-Leads, Body 6.15x5.15mm, Pitch 1.27mm"
  rrect15% 0.65x1.2 smd: 1(-1.905,-2.825) 2(-0.635,-2.825) 3(0.635,-2.825) 4(1.905,-2.825) 5(2.007,2.794) 6(0.66,2.794) 7(-0.66,2.794) 8(-2.007,2.794)
  Top Layer region: -2.35,2.925 -2.35,-1.575 2.35,-1.575 2.35,2.925
  Top Layer region: -2.35,2.925 -1.65,2.925 -1.65,3.425 -2.35,3.425
  Top Layer region: 1.65,2.925 2.35,2.925 2.35,3.425 1.65,3.425
  Top Layer region: -1.015,2.925 -0.315,2.925 -0.315,3.425 -1.015,3.425
  Top Layer region: 0.315,2.925 1.015,2.925 1.015,3.425 0.315,3.425
  silkscreen extent -2.23,-3.94 -2.03,-3.74, body extent -2.58,-3.08 2.58,3.07, height 1
INF-PG-TSDSON-8-1_V [mm] "TSDSON, 8-Leads, Body 3.3x3.3mm, Pitch 0.65mm"
  rrect15% 0.8x0.34 smd: 1(1.5,-0.975) 2(1.5,-0.325) 3(1.5,0.325) 4(1.5,0.975)
  rrect15% 0.65x0.34 smd: 5(-1.575,0.975) 6(-1.575,0.325) 7(-1.575,-0.325) 8(-1.575,-0.975)
  Top Layer region: -1.25,-1.145 0.46,-1.145 0.46,1.145 -1.25,1.145
  silkscreen extent -1.65,-1.65 2.57,1.65, body extent -1.65,-1.65 1.65,1.65, height 1.1
KSTN-5001 [mm] "Test Point, Through Hole, Dia 2.54mm"
  round 1.55 hole 1.016: 1(0,0)
  silkscreen extent -1.27,-1.27 1.27,1.27, body extent -1.25,-1.25 1.25,1.25, height 4.62
LDL212PUR [mm]
  rrect15% 0.6x0.45 smd: 1(-1.45,0.95) 2(-1.45,0) 3(-1.45,-0.95) 4(1.45,-0.95) 5(1.45,0) 6(1.45,0.95)
  rrect15% 1.75x2.5 smd: 7(0,0)
  silkscreen extent -2.08,-2.05 2.07,2.1, body extent -1.5,-1.5 1.5,1.5, height 0.8
LQFP-128 [mm] "STM32G4"
  oval 1.4x0.229 smd: 1(-7.7,6.2) 2(-7.7,5.8) 3(-7.7,5.4) 4(-7.7,5) 5(-7.7,4.6) 6(-7.7,4.2) 7(-7.7,3.8) 8(-7.7,3.4) 9(-7.7,3) 10(-7.7,2.6) 11(-7.7,2.2) 12(-7.7,1.8) 13(-7.7,1.4) 14(-7.7,1) 15(-7.7,0.6) 16(-7.7,0.2) 17(-7.7,-0.2) 18(-7.7,-0.6) 19(-7.7,-1) 20(-7.7,-1.4) 21(-7.7,-1.8) 22(-7.7,-2.2) 23(-7.7,-2.6) 24(-7.7,-3) 25(-7.7,-3.4) 26(-7.7,-3.8) 27(-7.7,-4.2) 28(-7.7,-4.6) 29(-7.7,-5) 30(-7.7,-5.4) 31(-7.7,-5.8) 32(-7.7,-6.2) 65(7.7,-6.2) 66(7.7,-5.8) 67(7.7,-5.4) 68(7.7,-5) 69(7.7,-4.6) 70(7.7,-4.2) 71(7.7,-3.8) 72(7.7,-3.4) 73(7.7,-3) 74(7.7,-2.6) 75(7.7,-2.2) 76(7.7,-1.8) 77(7.7,-1.4) 78(7.7,-1) 79(7.7,-0.6) 80(7.7,-0.2) 81(7.7,0.2) 82(7.7,0.6) 83(7.7,1) 84(7.7,1.4) 85(7.7,1.8) 86(7.7,2.2) 87(7.7,2.6) 88(7.7,3) 89(7.7,3.4) 90(7.7,3.8) 91(7.7,4.2) 92(7.7,4.6) 93(7.7,5) 94(7.7,5.4) 95(7.7,5.8) 96(7.7,6.2)
  oval 0.229x1.4 smd: 33(-6.2,-7.7) 34(-5.8,-7.7) 35(-5.4,-7.7) 36(-5,-7.7) 37(-4.6,-7.7) 38(-4.2,-7.7) 39(-3.8,-7.7) 40(-3.4,-7.7) 41(-3,-7.7) 42(-2.6,-7.7) 43(-2.2,-7.7) 44(-1.8,-7.7) 45(-1.4,-7.7) 46(-1,-7.7) 47(-0.6,-7.7) 48(-0.2,-7.7) 49(0.2,-7.7) 50(0.6,-7.7) 51(1,-7.7) 52(1.4,-7.7) 53(1.8,-7.7) 54(2.2,-7.7) 55(2.6,-7.7) 56(3,-7.7) 57(3.4,-7.7) 58(3.8,-7.7) 59(4.2,-7.7) 60(4.6,-7.7) 61(5,-7.7) 62(5.4,-7.7) 63(5.8,-7.7) 64(6.2,-7.7) 97(6.2,7.7) 98(5.8,7.7) 99(5.4,7.7) 100(5,7.7) 101(4.6,7.7) 102(4.2,7.7) 103(3.8,7.7) 104(3.4,7.7) 105(3,7.7) 106(2.6,7.7) 107(2.2,7.7) 108(1.8,7.7) 109(1.4,7.7) 110(1,7.7) 111(0.6,7.7) 112(0.2,7.7) 113(-0.2,7.7) 114(-0.6,7.7) 115(-1,7.7) 116(-1.4,7.7) 117(-1.8,7.7) 118(-2.2,7.7) 119(-2.6,7.7) 120(-3,7.7) 121(-3.4,7.7) 122(-3.8,7.7) 123(-4.2,7.7) 124(-4.6,7.7) 125(-5,7.7) 126(-5.4,7.7) 127(-5.8,7.7) 128(-6.2,7.7)
  silkscreen extent -7.82,-6.6 6.6,7.01, body extent -7,-7 7,7, height 1.6
NXP-SOT1118_L [mm] "SON, 6-Leads, Body 2.1x2.1mm, Pitch 0.65mm, 2X Thermal Pad 0.67x1 mm, IPC High Density"
  rrect15% 0.6x0.3 smd: 1(-0.953,0.65) 2(-0.945,0) 3(-0.945,-0.65) 4(0.945,-0.65) 5(0.945,0) 6(0.945,0.65)
  rrect15% 1x0.67 smd: 7(0,0.49) 8(0,-0.49)
  silkscreen extent -1.5,-1.2 1.05,1.25, body extent -1.05,-1.05 1.05,1.05, height 0.65
ONSC-SOD-323-2-477-02_G_V [mm] "SOD, 2-Leads, Body 1.7x1.25mm"
  rrect15% 0.63x0.83 smd: 1(-1.115,0) 2(1.115,0)
  silkscreen extent -1.24,-0.67 0.4,1.09, body extent -0.85,-0.63 0.85,0.63, height 1.06
ONSC-SOD-323-2-477-02_V [mm] "SOD, 2-Leads, Body 1.7x1.25mm"
  rrect15% 0.63x0.83 smd: 1(-1.115,0) 2(1.115,0)
  silkscreen extent -1.24,-0.67 0.4,1.09, body extent -0.85,-0.63 0.85,0.63, height 1.06
ONSC-SOT-323-3-419-04_V [mm] "SOT23, 3-Leads, Body 2x1.25mm, Pitch 0.65mm"
  rrect15% 0.9x0.7 smd: 1(-0.95,0.65) 2(-0.95,-0.65) 3(0.95,0)
  silkscreen extent -1.07,-1.1 0.63,1.67, body extent -0.63,-1 0.62,1, height 1
PE1812ACC510STS [mm]
  rrect15% 1.35x0.9 smd: 1(-2.275,1.25) 2(-2.275,-1.25) 3(2.275,-1.25) 4(2.275,1.25)
  silkscreen extent -3.9,-1.6 2.25,1.6, body extent -2.86,-1.61 2.86,1.61, height 3.1
PV_PAD#1 [mm]
  round 5 hole 3: 1(-0.1,-0.025)
PV_PAD#2 [mm]
  round 5 hole 3: 1(0,0)
QFN50P300X300X90-17N [mm]
  rrect15% 0.75x0.3 smd: 1(-1.5,0.75) 2(-1.5,0.25) 3(-1.5,-0.25) 4(-1.5,-0.75) 9(1.5,-0.75) 10(1.5,-0.25) 11(1.5,0.25) 12(1.5,0.75)
  rrect15% 0.3x0.75 smd: 5(-0.75,-1.5) 6(-0.25,-1.5) 7(0.25,-1.5) 8(0.75,-1.5) 13(0.75,1.5) 14(0.25,1.5) 15(-0.25,1.5) 16(-0.75,1.5)
  rect 1.75x1.75 smd: 17(0,0)
  silkscreen extent -2.18,-2.18 2.2,2.18, body extent -1.55,-1.55 1.55,1.55, height 0.9
RESC1005X40X25ML05T05 [mm] "Chip Resistor, 2-Leads, Body 1.05x0.55mm, IPC Low Density"
  rrect15% 0.65x0.65 smd: 1(-0.5,0) 2(0.5,0)
  body extent -0.53,-0.28 0.53,0.28, height 0.4
RESC1005X40X25NL05T05 [mm] "Chip Resistor, 2-Leads, Body 1.00x0.50mm, IPC Medium Density"
  rrect15% 0.55x0.55 smd: 1(-0.45,0) 2(0.45,0)
  body extent -0.53,-0.28 0.53,0.28, height 0.4
RESC1005X40X25NL05T10 [mm] "Chip Resistor, 2-Leads, Body 1.00x0.50mm, IPC Medium Density"
  rrect15% 0.6x0.55 smd: 1(-0.425,0) 2(0.425,0)
  body extent -0.53,-0.27 0.53,0.28, height 0.4
RESC1608X55N [mm] "Chip Resistor, Body 1.6x0.8mm, EIA 0603, IPC Medium Density"
  round 0.254 on Mech15: 0(0,0)
  rrect25% 0.9x1 smd: 1(-0.85,0) 2(0.85,0)
  Top Layer pour cut-out: -0.6,0.5 -0.4,0.7 0.4,0.7 0.6,0.5 0.6,-0.5 0.4,-0.7 -0.4,-0.7 -0.6,-0.5
  silkscreen extent -0.15,-0.41 0.15,0.41, body extent -0.87,-0.47 0.88,0.48, height 0.54
RESC1608X55X25ML10T15 [mm] "Chip Resistor, 2-Leads, Body 1.60x0.80mm, IPC Low Density"
  rrect15% 0.8x1 smd: 1(-0.75,0) 2(0.75,0)
  body extent -0.85,-0.45 0.85,0.45, height 0.55
RESC1608X55X25NL10T15 [mm]
  rrect15% 0.7x0.9 smd: 1(-0.7,0) 2(0.7,0)
  body extent -0.85,-0.45 0.85,0.45, height 0.55
RESC1608X55X30LL15T15 [mm] "Chip Resistor, 2-Leads, Body 1.60x0.80mm, IPC High Density"
  rrect15% 0.7x0.85 smd: 1(-0.625,0) 2(0.625,0)
  body extent -0.87,-0.48 0.88,0.48, height 0.55
RESC1608X55X30ML15T15 [mm]
  rrect15% 0.9x1.05 smd: 1(-0.725,0) 2(0.725,0)
  body extent -0.87,-0.47 0.87,0.47, height 0.55
RESC1608X55X30ML20T20 [mm] "Chip Resistor, 2-Leads, Body 1.60x0.80mm, IPC Low Density"
  rrect15% 1x1.1 smd: 1(-0.7,0) 2(0.7,0)
  body extent -0.9,-0.5 0.9,0.5, height 0.55
RESC1608X55X30NL15T15 [mm] "Chip Resistor, 2-Leads, Body 1.60x0.80mm, IPC Medium Density"
  rrect15% 0.8x0.95 smd: 1(-0.675,0) 2(0.675,0)
  body extent -0.87,-0.48 0.87,0.48, height 0.55
RESC1608X55X30NL20T10 [mm] "Chip Resistor, 2-Leads, Body 1.60x0.80mm, IPC Medium Density"
  rrect15% 0.8x1 smd: 1(-0.7,0) 2(0.7,0)
  body extent -0.9,-0.5 0.9,0.5, height 0.55
RESC1608X55X30NL20T20#1 [mm]
  rrect15% 0.9x1 smd: 1(-0.65,0) 2(0.65,0)
  body extent -0.9,-0.5 0.9,0.5, height 0.55
RESC1608X55X30NL20T20#2 [mm] "Chip Resistor, 2-Leads, Body 1.60x0.80mm, IPC Medium Density"
  rrect15% 0.9x1 smd: 1(-0.75,0) 2(0.75,0)
  body extent -0.9,-0.5 0.9,0.5, height 0.55
RESC2012X70N [mm] "Chip Resistor, Body 2.0x1.2mm, EIA 0805, IPC Medium Density"
  round 0.254 on Mech15: 0(0,0)
  rrect25% 0.8x1.3 smd: 1(-1,0) 2(1,0)
  Top Layer pour cut-out: -0.725,0.65 -0.525,0.85 0.525,0.85 0.725,0.65 0.725,-0.65 0.525,-0.85 -0.525,-0.85 -0.725,-0.65
  silkscreen extent -0.38,-0.64 0.38,0.64, body extent -1.1,-0.67 1.1,0.68, height 0.69